# Altium PCB PASS Capstone.PcbDoc (part 3 of 6)
Units mil, origin at the board's own origin, x right, y up, seen from the top; angles counter-clockwise.
Board outline 9510 x 7745.39 mil, 2 copper layers (L1, L2), stack 62.756 mil thick; 838 components, 509 nets, 2130 pads, 378 vias.
Unrouted connection lines stored in the file: 795.
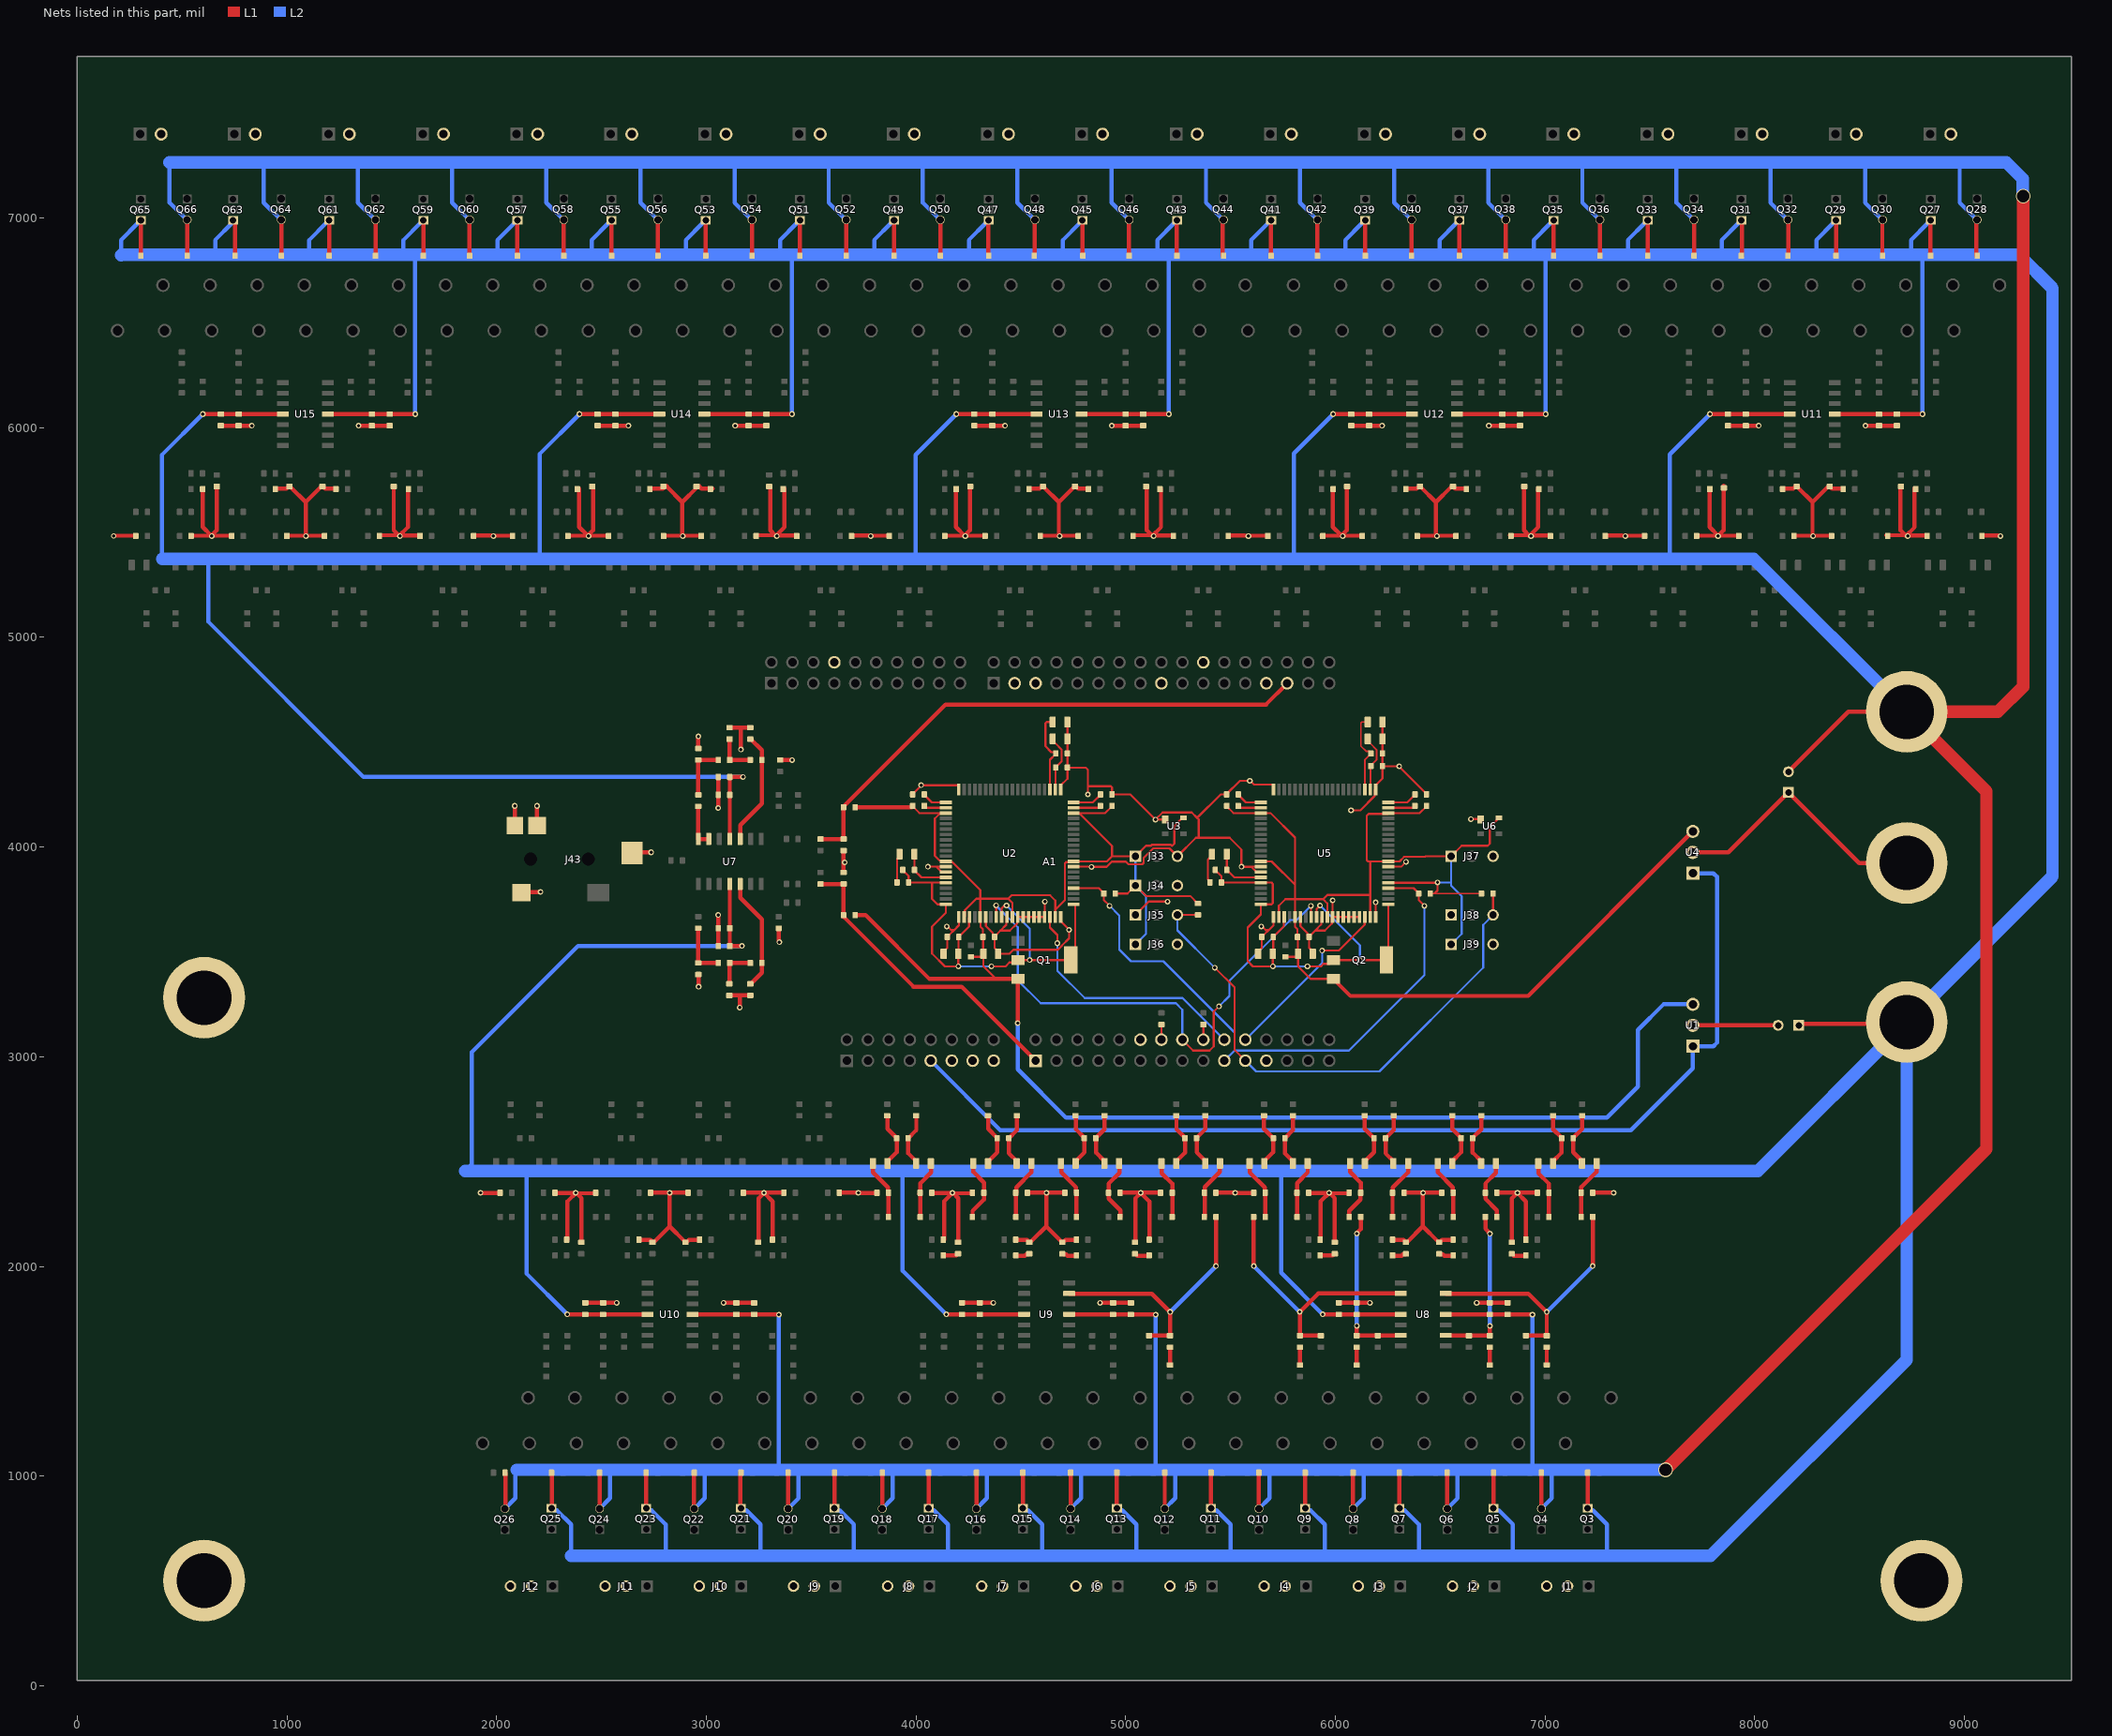
[diagram p3: the nets of this part, all layers, seen from the top]

## Via types
v1: diameter 27, hole 15, L1 to L2, 375 vias
v2: diameter 70, hole 60, L1 to L2, 2 vias
v3: diameter 25, hole 15, L1 to L2, 1 vias

## Nets (pads, with @x,y where several pads share a name; then routed paths per layer and width w, separated by ;. In a path a pad name is that pad's centre, name@x,y a point inside that pad or via, vN(x,y) a via of type N, cw(c..) or ccw(c..) an arc to the next point about the centre after c; other vN are vias at no path point)
GND: A1.CN7_8 A1.CN8_11 A1.CN8_13 A1.CN9_12 A1.CN9_23 A1.CN10_3 A1.CN10_5 A1.CN10_17 A1.CN10_22 A1.CN10_27 C4.2 C5.1 C6.1 C7.2 C8.1 C9.1 C10.1 C11.1 C12.2 C13.2 C18.2 C19.1 C20.1 C21.1 C22.1 C23.1 C24.1 C25.1 C26.2 C27.2 C30.2 C32.2 C34.2 C35.2 C36.2 C37.2 C38.2 C51.1 C52.1 C53.1 C54.1 C59.2 C60.2 C61.2 C62.2 C75.1 C76.1 C77.1 C78.1 C83.2 C84.2 C85.2 C86.2 C99.1 C100.1 C101.1 C102.1 C107.2 C108.2 C109.2 C110.2 C123.1 C124.1 C125.1 C126.1 C131.2 C132.2 C133.2 C134.2 C147.1 C148.1 C149.1 C150.1 C155.2 C156.2 C157.2 C158.2 C171.1 C172.1 C173.1 C174.1 C179.2 C180.2 C181.2 C182.2 C195.1 C196.1 C197.1 C198.1 C203.2 C204.2 C205.2 C206.2 C219.1 C220.1 C221.1 C222.1 C227.2 C228.2 C229.2 C230.2 C233.2 C234.1 J1.2 J1.3 J2.2 J2.3 J3.2 J3.3 J4.2 J4.3 J5.2 J5.3 J6.2 J6.3 J7.2 J7.3 J8.2 J8.3 J9.2 J9.3 J10.2 J10.3 J11.2 J11.3 J12.2 J12.3 J13.2 J14.2 J15.2 J16.2 J17.2 J18.2 J19.2 J20.2 J21.2 J22.2 J23.2 J24.2 J25.2 J26.2 J27.2 J28.2 J29.2 J30.2 J31.2 J32.2 J33.3 J34.3 J35.1 J36.3 J37.3 J38.1 J39.3 J41.1 J43.1 J43.2 J43.4 J43.5 J44.1 J45.1 J46.1 R9.2 R12.2 R16.2 R17.2 R18.2 R22.2 R23.2 R33.1 R34.2 R35.1 R36.2 R37.1 R38.2 R39.1 R40.2 R49.2 R50.2 R51.2 R52.2 R81.1 R82.2 R83.1 R84.2 R85.1 R86.2 R87.1 R88.2 R97.2 R98.2 R99.2 R100.2 R129.1 R130.2 R131.1 R132.2 R133.1 R134.2 R135.1 R136.2 R145.2 R146.2 R147.2 R148.2 R177.1 R178.2 R179.1 R180.2 R181.1 R182.2 R183.1 R184.2 R193.2 R194.2 R195.2 R196.2 R225.1 R226.2 R227.1 R228.2 R229.1 R230.2 R231.1 R232.2 R241.2 R242.2 R243.2 R244.2 R273.1 R274.2 R275.1 R276.2 R277.1 R278.2 R279.1 R280.2 R289.2 R290.2 R291.2 R292.2 R321.1 R322.2 R323.1 R324.2 R325.1 R326.2 R327.1 R328.2 R337.2 R338.2 R339.2 R340.2 R369.1 R370.2 R371.1 R372.2 R373.1 R374.2 R375.1 R376.2 R385.2 R386.2 R387.2 R388.2 U1.2 U2.13 U2.14 U2.21 U2.26 U2.30 U2.32 U2.33 U2.34 U2.35 U2.36 U2.37 U2.40 U2.48 U2.61 U2.80 U3.1 U4.2 U5.13 U5.14 U5.21 U5.26 U5.30 U5.32 U5.33 U5.34 U5.35 U5.36 U5.37 U5.40 U5.48 U5.61 U5.80 U6.1 | length 30204.2
  L1 w10: C4.2@3984.51,4251.22 3984.51,4253.18 4025,4293.67 v1(4025,4295) 4200.49,4295 4203.96,4291.54 U2.80@4203.96,4274.49 ; v1(4057.07,3906.22) 4057.15,3906.3 4097.35,3906.3 ; C6.1@4131.64,3491.22 4131.64,3501.85 4149.08,3519.29 C5.1@4149.08,3571.22 ; U2.14@4142.94,3880.79 4122.86,3880.79 4097.35,3906.3 ; U2.13@4142.94,3906.38 4142.86,3906.3 4097.35,3906.3 ; v1(4147.07,3621.22) 4151.13,3621.22 4167.88,3604.47 4182.29,3604.47 ; C5.1@4149.04,3573.18 4157.04,3581.18 4159,3581.18 4182.29,3604.47 ; U2.21@4205.57,3666.22 4205.57,3627.76 4182.29,3604.47 ; U2.26@4333.53,3666.22 4333.53,3622.68 4366.63,3589.57 4366.63,3579.22 C8.1@4374.63,3571.22 ; U2.30@4434.27,3666.22 4430.81,3662.76 4430.81,3629.32 4402.74,3601.25 ; v1(4615,3740) 4614.2,3739.2 4614.2,3667.02 U2.37@4613.41,3666.22 U2.36@4587.82,3666.22 U2.35@4562.23,3666.22 U2.34@4536.64,3666.22 U2.33@4511.05,3666.22 U2.32@4485.46,3666.22 4481.99,3662.76 4481.99,3635.78 4447.46,3601.25 4402.74,3601.25 ; U2.40@4690.18,3666.22 4690.18,3646.14 4730,3606.32 v1(4730,3605) 4730,3565.18 4695.56,3530.74 4695.56,3528.85 4676.75,3510.03 4464.22,3510.03 4445.41,3491.22 C7.2@4392.11,3491.22 4392.11,3501.85 4374.67,3519.29 C8.1@4374.67,3571.22 ; U2.61@4690.18,4274.49 4690.18,4294.57 4722.07,4326.46 C11.1@4722.07,4379.07 ; C10.1@4722.07,4596.22 C12.2@4722.07,4516.22 C9.1@4722.07,4446.22 C11.1@4722.07,4379.07 ; U2.48@4751.2,3906.38 4751.28,3906.3 4836.27,3906.3 v1(4837.07,3905.5) 4908.95,3905.5 4933.45,3930 5000.73,3930 5012.85,3917.88 5078.97,3917.88 5085.41,3924.32 5085.41,3948.79 5131.19,3994.56 5208.73,3994.56 J33.3@5247.07,3956.22 5334.74,4043.89 5348.76,4043.89 ; v1(4820,4251.22) 4820,4290 ; J35.1@5047.07,3676.22 5110.85,3740 v1(5200,3740) ; U3.1@5188.76,4131.14 5188.68,4131.22 v1(5142.07,4131.22) ; 5599.04,3906.3 5644.47,3906.3 U5.13@5644.55,3906.38 ; C20.1@5631.64,3491.22 5631.64,3501.85 5649.04,3519.25 C19.1@5649.04,3571.22 5649.04,3573.18 5657.04,3581.18 5659,3581.18 5682.29,3604.47 ; U5.14@5644.55,3880.79 5624.47,3880.79 5599.04,3906.22 v1(5552.07,3906.22) 5552.07,3987.93 5496.11,4043.89 5348.76,4043.89 ; v1(5647.07,3621.22) 5651.13,3621.22 5667.88,3604.47 5682.29,3604.47 ; U5.21@5705.57,3666.22 5705.57,3627.76 5682.29,3604.47 ; U5.80@5705.57,4274.49 5705.57,4294.57 5702.11,4298.03 5612.77,4298.03 5594.58,4316.22 v1(5592.07,4316.22) 5544.99,4316.22 5481.95,4253.18 C18.2@5481.95,4251.22 5453.19,4251.22 5340.98,4139.02 ; U5.26@5833.53,3666.22 5833.53,3622.68 5866.63,3589.57 5866.63,3579.22 C22.1@5874.63,3571.22 ; C21.1@5892.5,3491.22 5892.5,3501.85 5874.63,3519.72 C22.1@5874.63,3571.22 ; U5.30@5935.89,3666.22 5932.42,3662.76 5932.42,3630.98 5903.53,3602.08 ; v1(5987.07,3746.22) U5.32@5987.07,3666.22 ; v1(6075,4175) 6119.28,4175 6188.33,4244.05 6188.33,4271.02 U5.61@6191.79,4274.49 6191.79,4294.57 6224.63,4327.4 C25.1@6224.63,4386.22 ; U5.37@6115.02,3666.22 U5.36@6089.43,3666.22 U5.35@6063.84,3666.22 U5.34@6038.25,3666.22 U5.33@6012.66,3666.22 U5.32@5987.07,3666.22 ; U5.40@6191.79,3666.22 6191.93,3666.36 6191.93,3736.08 v1(6192.07,3736.22) ; C24.1@6224.63,4596.22 C26.2@6224.63,4516.22 C23.1@6224.63,4446.22 C25.1@6224.63,4386.22 ; U5.48@6252.82,3906.38 6252.9,3906.3 6313.57,3906.3 v1(6337.07,3929.8) ; C27.2@6434.63,4251.22 6434.63,4253.18 6305,4382.81 v1(6305,4385) 6304.39,4385.61 6225.24,4385.61 C25.1@6224.63,4386.22 ; v1(6647.01,4133.5) 6691.4,4133.5 U6.1@6693.76,4131.14 ; C8.1@4374.67,3571.22 4374.67,3573.18 4402.74,3601.25 ; C11.1@4722.07,4379.07 4809.22,4379.07 4820,4368.29 4820,4290 ; 4820,4290 4928.94,4290 4934.79,4284.14 C13.2@4934.79,4251.22 5022.07,4251.22 v1(5142.07,4131.22) ; v1(5142.07,4131.22) 5175.85,4165 5315,4165 5340.98,4139.02 ; 5340.98,4139.02 5348.76,4131.24 5348.76,4043.89 ; C22.1@5874.63,3571.22 5874.63,3573.18 5903.53,3602.08 ; 5903.53,3602.08 5949.9,3602.08 5983.6,3635.78 5983.6,3662.76 U5.32@5987.07,3666.22
  L1 w20: v3@179.75,5485 R376.2@279,5485 ; R375.1@543.29,5485 v1@639.75,5485 ; R388.2@598.02,5710 598.02,5526.73 v1@639.75,5485 ; v1@638.4,5485 R374.2@736.6,5485 ; C222.1@665.15,5722.44 665.15,5511.76 639.75,5486.35 v1@639.75,5485 ; C227.2@684.75,6009.88 v1(832.82,6009.88) ; R387.2@944.99,5710 997.6,5710 1010.04,5722.44 1013.96,5722.44 1016.96,5719.44 1016.96,5717.48 1089.75,5644.69 ; R373.1@999.71,5485 v1@1087.75,5485 ; C220.1@1162.02,5717.48 1089.23,5644.69 1089.23,5490.02 1088.7,5489.49 1088.7,5485.96 v1@1087.75,5485 ; C220.1@1168.94,5722.44 1181.38,5710 R386.2@1233.99,5710 ; R371.1@1178.87,5485 v1@1087.75,5485 ; v1(1341.82,6009.88) C230.2@1489.89,6009.88 ; R372.2@1441.51,5487.29 v1@1534.96,5487.29 ; C219.1@1509.34,5721.09 1509.34,5510.4 v1@1534.75,5485 ; v1@1533.21,5486.31 R369.1@1632.67,5486.31 ; v1@1534.75,5483.65 1576.48,5525.38 R385.2@1576.48,5708.65 ; R370.2@1898.16,5486.13 v1@1975.8,5486.13 ; v1@1925.01,2350.09 1939.01,2350.09 R136.2@2016.66,2350.09 ; v1@1975.75,5485 R328.2@2075,5485 ; J43.4@2086.68,4104.94 v1(2086.68,4196.28) ; J43.1@2118.17,3786.04 v1(2209.51,3786.04) ; J43.2@2192.97,4104.94 v1(2192.97,4196.28) ; R135.1@2282.15,2349.91 v1@2381.61,2349.91 ; R148.2@2338.34,2127.57 2338.34,2310.84 v1@2380.07,2352.57 ; R327.1@2339.29,5485 v1@2435.75,5485 ; v1@2379.85,2348.93 R134.2@2473.31,2348.93 ; v1@2380.07,2351.22 2405.47,2325.82 C102.1@2405.47,2115.13 ; R340.2@2394.02,5710 2394.02,5526.73 v1@2435.75,5485 ; C110.2@2424.92,1826.34 v1(2573,1826.34) ; v1@2434.4,5485 R326.2@2532.6,5485 ; C198.1@2461.15,5722.44 2461.15,5511.76 2435.75,5486.35 v1@2435.75,5485 ; C203.2@2480.75,6009.88 v1(2628.82,6009.88) ; J43.5@2645.73,3975.02 v1(2737.07,3975.02) ; R147.2@2680.82,2126.22 2733.43,2126.22 C101.1@2745.87,2113.78 ; R133.1@2735.94,2351.22 v1@2827.07,2351.22 ; R339.2@2740.99,5710 2793.6,5710 2806.04,5722.44 2809.96,5722.44 2812.96,5719.44 2812.96,5717.48 2885.75,5644.69 ; C101.1@2752.79,2118.74 2825.58,2191.53 2825.58,2346.2 2826.11,2346.73 2826.11,2350.26 v1@2827.07,2351.22 ; R325.1@2795.71,5485 v1@2883.75,5485 ; 2825.07,2191.53 2897.86,2118.74 2897.86,2116.78 2900.86,2113.78 2904.78,2113.78 2917.22,2126.22 R146.2@2969.83,2126.22 ; R131.1@2915.1,2351.22 v1@2827.07,2351.22 ; C196.1@2958.02,5717.48 2885.23,5644.69 2885.23,5490.02 2884.7,5489.49 2884.7,5485.96 v1@2883.75,5485 ; C30.2@2962.07,3392.06 2962.71,3391.42 2962.71,3334.36 v1(2963.36,3333.71) ; R9.2@2962.07,4470.38 v1(2962.07,4527.44) ; C196.1@2964.94,5722.44 2977.38,5710 R338.2@3029.99,5710 ; R323.1@2974.88,5485 v1@2883.75,5485 ; C38.2@3056.95,3528.2 v1(3056.95,3676.27) ; v1(3056.95,4186.17) C35.2@3056.95,4334.24 ; v1(3081.99,1826.34) C107.2@3230.07,1826.34 ; C32.2@3110,3292.44 3160.23,3292.44 ; R12.2@3110,4570 3160.23,4570 ; v1(3137.82,6009.88) C206.2@3285.89,6009.88 ; v1(3160,3235) 3160.23,3235.23 3160.23,3292.44 ; v1(3165,4465) 3165,4565.23 3160.23,4570 ; R132.2@3178.22,2351.22 v1@3276.42,2351.22 ; C34.2@3210,3292.44 3160.23,3292.44 ; R16.2@3210,4570 3160.23,4570 ; R324.2@3237.51,5487.29 v1@3330.97,5487.29 ; C99.1@3249.66,2113.78 3249.66,2324.46 3275.07,2349.87 v1(3275.06,2351.22) ; C195.1@3305.35,5721.09 3305.35,5510.4 v1@3330.75,5485 ; R145.2@3316.8,2126.22 3316.8,2309.49 v1(3275.06,2351.22) ; v1@3329.21,5486.31 R321.1@3428.67,5486.31 ; v1@3330.75,5483.65 3372.48,5525.38 R337.2@3372.48,5708.65 ; R17.2@3345,3612.44 3345,3551.89 3348.44,3548.46 v1(3348.44,3546.56) ; R18.2@3351.69,4415.03 v1@3408.9,4415.03 ; R129.1@3371.52,2351.22 v1(3275.06,2351.22) ; R130.2@3635.82,2351.22 v1@3735.07,2351.22 ; R22.2@3655,3879.05 3655,3920.41 3660.31,3925.72 v1(3660.31,3927.07) ; v1@3655,3927.08 R23.2@3655,3983.39 ; R322.2@3694.16,5486.13 v1@3771.8,5486.13 ; v1@3721.01,2350.09 3735.01,2350.09 R88.2@3812.66,2350.09 ; v1@3771.75,5485 R280.2@3871,5485 ; R87.1@4078.15,2349.91 v1@4177.61,2349.91 ; R100.2@4134.34,2127.57 4134.34,2310.84 v1@4176.07,2352.57 ; R279.1@4135.29,5485 v1@4231.75,5485 ; v1@4175.85,2348.93 R86.2@4269.31,2348.93 ; v1@4176.07,2351.22 4201.47,2325.82 C78.1@4201.47,2115.13 ; R292.2@4190.02,5710 4190.02,5526.73 v1@4231.75,5485 ; C86.2@4220.92,1826.34 v1(4369,1826.34) ; v1@4230.4,5485 R278.2@4328.6,5485 ; C174.1@4257.15,5722.44 4257.15,5511.76 4231.75,5486.35 v1@4231.75,5485 ; C179.2@4276.75,6009.88 v1(4424.82,6009.88) ; R99.2@4476.82,2126.22 4529.43,2126.22 C77.1@4541.87,2113.78 ; R85.1@4531.94,2351.22 v1@4623.07,2351.22 ; R291.2@4536.99,5710 4589.6,5710 4602.04,5722.44 4605.96,5722.44 4608.96,5719.44 4608.96,5717.48 4681.75,5644.69 ; C77.1@4548.8,2118.74 4621.58,2191.53 4621.58,2346.2 4622.11,2346.73 4622.11,2350.26 v1@4623.07,2351.22 ; R277.1@4591.71,5485 v1@4679.75,5485 ; 4621.07,2191.53 4693.86,2118.74 4693.86,2116.78 4696.86,2113.78 4700.78,2113.78 4713.22,2126.22 R98.2@4765.83,2126.22 ; R83.1@4711.1,2351.22 v1@4623.07,2351.22 ; C172.1@4754.02,5717.48 4681.23,5644.69 4681.23,5490.02 4680.7,5489.49 4680.7,5485.96 v1@4679.75,5485 ; C172.1@4760.94,5722.44 4773.38,5710 R290.2@4826,5710 ; R275.1@4770.88,5485 v1@4679.75,5485 ; v1(4877.99,1826.34) C83.2@5026.07,1826.34 ; v1(4933.82,6009.88) C182.2@5081.89,6009.88 ; R84.2@4974.22,2351.22 v1@5072.42,2351.22 ; R276.2@5033.51,5487.29 v1@5126.97,5487.29 ; C75.1@5045.67,2113.78 5045.67,2324.46 5071.07,2349.87 v1@5071.07,2351.22 ; C171.1@5101.35,5721.09 5101.35,5510.4 v1@5126.75,5485 ; R97.2@5112.8,2126.22 5112.8,2309.49 v1@5071.07,2351.22 ; v1@5125.21,5486.31 R273.1@5224.67,5486.31 ; v1@5126.75,5483.65 5168.48,5525.38 R289.2@5168.48,5708.65 ; R81.1@5167.52,2351.22 v1@5071.07,2351.22 ; R82.2@5430.97,2351.22 v1@5531.07,2351.22 ; R274.2@5490.16,5486.13 5567.8,5486.13 ; v1@5517.02,2350.09 5531.01,2350.09 R40.2@5608.66,2350.09 ; 5570.09,5485 R232.2@5669.34,5485 ; R39.1@5874.15,2349.91 v1@5973.61,2349.91 ; R52.2@5930.34,2127.57 5930.34,2310.84 v1@5972.07,2352.57 ; R231.1@5933.63,5485 v1@6030.09,5485 ; v1@5971.85,2348.93 R38.2@6065.31,2348.93 ; v1@5972.07,2351.22 5997.47,2325.82 C54.1@5997.47,2115.13 ; R244.2@5988.36,5710 5988.36,5526.73 v1@6030.09,5485 ; C62.2@6016.93,1826.34 C61.2@6101.93,1826.34 v1(6165,1826.34) ; v1@6028.74,5485 R230.2@6126.94,5485 ; C150.1@6055.49,5722.44 6055.49,5511.76 6030.09,5486.35 v1@6030.09,5485 ; C155.2@6075.08,6009.88 v1(6223.16,6009.88) ; R51.2@6272.82,2126.22 6325.43,2126.22 C53.1@6337.88,2113.78 ; R37.1@6327.94,2351.22 v1(6419.07,2351.22) ; R243.2@6335.32,5710 6387.93,5710 6400.38,5722.44 6404.3,5722.44 6407.3,5719.44 6407.3,5717.48 6480.09,5644.69 ; C53.1@6344.8,2118.74 6417.59,2191.53 6417.59,2346.2 6418.11,2346.73 6418.11,2350.26 v1(6419.07,2351.22) ; R229.1@6390.05,5485 v1@6478.08,5485 ; 6417.07,2191.53 6489.86,2118.74 6489.86,2116.78 6492.86,2113.78 6496.78,2113.78 6509.22,2126.22 R50.2@6561.83,2126.22 ; R35.1@6507.11,2351.22 v1(6419.07,2351.22) ; C148.1@6552.36,5717.48 6479.57,5644.69 6479.57,5490.02 6479.04,5489.49 6479.04,5485.96 v1@6478.08,5485 ; C148.1@6559.28,5722.44 6571.72,5710 R242.2@6624.33,5710 ; R227.1@6569.21,5485 v1@6478.08,5485 ; v1(6674,1826.34) C59.2@6822.07,1826.34 ; v1(6732.15,6009.88) C158.2@6880.23,6009.88 ; R36.2@6770.22,2351.22 v1(6868.42,2351.22) ; R228.2@6831.85,5487.29 v1@6925.3,5487.29 ; C51.1@6841.67,2113.78 6841.67,2324.46 6867.07,2349.87 v1@6867.07,2351.22 ; C147.1@6899.68,5721.09 6899.68,5510.4 v1@6925.09,5485 ; R49.2@6908.8,2126.22 6908.8,2309.49 v1@6867.07,2351.22 ; v1@6923.55,5486.31 R225.1@7023,5486.31 ; v1@6925.09,5483.65 6966.82,5525.38 R241.2@6966.82,5708.65 ; R33.1@6963.53,2351.22 v1@6867.07,2351.22 ; R34.2@7227.82,2351.22 v1(7327.07,2351.22) ; R226.2@7288.5,5486.13 7366.14,5486.13 ; 7366.09,5485 R184.2@7465.34,5485 ; U1.2@7705,3150 C233.2@8111.57,3150 ; U4.2@7705,3975 7875,3975 C234.1@8160.79,4260.79 8497.39,3924.18 J41.1@8725,3924.18 ; R183.1@7729.63,5485 v1@7826.09,5485 ; R196.2@7784.36,5710 7784.36,5526.73 v1@7826.09,5485 ; v1@7824.74,5485 R182.2@7922.94,5485 ; C126.1@7851.49,5722.44 7851.49,5511.76 7826.09,5486.35 v1@7826.09,5485 ; C131.2@7871.09,6009.88 v1(8019.16,6009.88) ; R195.2@8131.33,5710 8183.94,5710 8196.38,5722.44 8200.3,5722.44 8203.3,5719.44 8203.3,5717.48 8276.09,5644.69 ; R181.1@8186.05,5485 v1@8274.08,5485 ; C124.1@8348.36,5717.48 8275.57,5644.69 8275.57,5490.02 8275.04,5489.49 8275.04,5485.96 v1@8274.08,5485 ; C124.1@8355.28,5722.44 8367.72,5710 R194.2@8420.33,5710 ; R179.1@8365.21,5485 v1@8274.08,5485 ; v1(8528.16,6009.88) C134.2@8676.23,6009.88 ; R180.2@8627.85,5487.29 v1@8721.3,5487.29 ; C123.1@8695.68,5721.09 8695.68,5510.4 v1@8721.09,5485 ; v1@8719.55,5486.31 R177.1@8819,5486.31 ; v1@8721.09,5483.65 8762.82,5525.38 R193.2@8762.82,5708.65 ; R178.2@9084.5,5486.13 v1@9162.14,5486.13
  other v1: 1923.37,2351.22 2377.26,2351.22 2825.54,2351.22 3725.42,2351.22 4173.71,2351.22 4622.17,2351.22 5071.52,2351.22 5522.1,2351.22 5970.61,2351.22 3409.13,4415.26 641.49,5483.65 1090.84,5483.65 1539.3,5483.65 1984.62,5483.65 2438.39,5483.65 2887.74,5483.65 3336.2,5483.65 3784.49,5483.65 4235.34,5483.65 4684.69,5483.65 5133.14,5483.65 5585.44,5483.65 6035.38,5483.65 6484.38,5483.65 6933.38,5483.65 7382.8,5483.65 7825.21,5483.65 8278.71,5483.65 8730.03,5483.65 9172.16,5483.65
  other v3: 173.37,5483.65
NetA1_CN8_9: A1.CN8_9 U1.1 U4.1 | length 5034.4
  L2 w20: A1.CN8_9@4070.59,2981.22 4401.81,2650 7410,2650 7705,2945 U1.1@7705,3050 7803.43,3050 7820,3066.57 7820,3858.43 7803.43,3875 U4.1@7705,3875
NetA1_CN8_15: A1.CN8_15 C37.1 C38.1 C61.1 C62.1 C85.1 C86.1 C109.1 C110.1 C133.1 C134.1 C157.1 C158.1 C181.1 C182.1 C205.1 C206.1 C229.1 C230.1 C233.1 J40.1 Q3.3 Q5.3 Q7.3 Q9.3 Q11.3 Q13.3 Q15.3 Q17.3 Q19.3 Q21.3 Q23.3 Q25.3 Q27.3 Q29.3 Q31.3 Q33.3 Q35.3 Q37.3 Q39.3 Q41.3 Q43.3 Q45.3 Q47.3 Q49.3 Q51.3 Q53.3 Q55.3 Q57.3 Q59.3 Q61.3 Q63.3 Q65.3 R65.1 R67.1 R69.1 R71.1 R113.1 R115.1 R117.1 R119.1 R161.1 R163.1 R165.1 R167.1 R209.1 R211.1 R213.1 R215.1 R257.1 R259.1 R261.1 R263.1 R305.1 R307.1 R309.1 R311.1 R353.1 R355.1 R357.1 R359.1 R401.1 R403.1 R405.1 R407.1 U7.4 U8.4 U9.4 U10.4 U11.4 U12.4 U13.4 U14.4 U15.4 | length 53763.1
  L1 w20: R407.1@303.3,6820 Q65.3@303.3,6990 ; R405.1@752.51,6820 Q63.3@752.51,6990 ; U15.4@1195.05,6065 C230.1@1489.89,6065 v1(1611.96,6065) ; R403.1@1201.51,6820 Q61.3@1201.51,6990 ; R401.1@1650.51,6820 Q59.3@1650.51,6990 ; R359.1@2099.3,6820 Q57.3@2099.3,6990 ; Q25.3@2264.31,846.22 R167.1@2264.31,1016.22 ; v1(2337.16,1771.22) C110.1@2423.23,1771.22 ; C110.1@2424.92,1771.22 U10.4@2719.76,1771.22 ; R357.1@2548.51,6820 Q55.3@2548.51,6990 ; Q23.3@2713.31,846.22 R165.1@2713.31,1016.22 ; U14.4@2991.05,6065 C206.1@3285.89,6065 ; R355.1@2997.51,6820 Q53.3@2997.51,6990 ; U7.4@3112.07,3823.94 3112.07,3723.94 C37.1@3112.07,3613.2 C38.1@3112.07,3528.2 v1(3170,3528.2) ; Q21.3@3162.31,846.22 R163.1@3162.31,1016.22 ; C206.1@3286.74,6065 v1(3408.81,6065) ; R353.1@3446.51,6820 Q51.3@3446.51,6990 ; Q19.3@3611.52,846.22 R161.1@3611.52,1016.22 ; R311.1@3895.3,6820 Q49.3@3895.3,6990 ; Q17.3@4060.31,846.22 R119.1@4060.31,1016.22 ; v1(4145,1771.22) C86.1@4220.08,1771.22 ; C86.1@4220.92,1771.22 U9.4@4515.76,1771.22 ; R309.1@4344.51,6820 Q47.3@4344.51,6990 ; Q15.3@4509.31,846.22 R117.1@4509.31,1016.22 ; U13.4@4787.05,6065 C182.1@5081.89,6065 ; R307.1@4793.51,6820 Q45.3@4793.51,6990 ; Q13.3@4958.31,846.22 R115.1@4958.31,1016.22 ; C182.1@5083.59,6065 v1(5205.66,6065) ; R305.1@5242.51,6820 Q43.3@5242.51,6990 ; Q11.3@5407.52,846.22 R113.1@5407.52,1016.22 ; R263.1@5693.63,6820 Q41.3@5693.63,6990 ; Q9.3@5856.31,846.22 R71.1@5856.31,1016.22 ; v1(5940,1771.22) C62.1@6016.93,1771.22 U8.4@6311.77,1771.22 ; R261.1@6142.85,6820 Q39.3@6142.85,6990 ; Q7.3@6305.31,846.22 R69.1@6305.31,1016.22 ; U12.4@6585.39,6065 C158.1@6880.23,6065 ; R259.1@6591.85,6820 Q37.3@6591.85,6990 ; Q5.3@6754.31,846.22 R67.1@6754.31,1016.22 ; C158.1@6881.08,6065 v1(7003.15,6065) ; R257.1@7040.85,6820 Q35.3@7040.85,6990 ; Q3.3@7203.52,846.22 R65.1@7203.52,1016.22 ; R215.1@7489.64,6820 Q33.3@7489.64,6990 ; R213.1@7938.85,6820 Q31.3@7938.85,6990 ; C233.1@8210,3150 8217.5,3157.5 8717.5,3157.5 J40.1@8725,3165 ; U11.4@8381.39,6065 C133.1@8592.93,6065 C134.1@8676.23,6065 ; R211.1@8387.85,6820 Q29.3@8387.85,6990 ; C134.1@8677.93,6065 v1(8800,6065) ; R209.1@8836.85,6820 Q27.3@8836.85,6990
  L2 w20: 208.9,6822.74 208.9,6895.39 289.89,6976.38 289.89,6980.31 299.57,6990 Q65.3@303.51,6990 ; 657.9,6822.74 657.9,6895.39 738.89,6976.38 738.89,6980.31 748.57,6990 Q63.3@752.51,6990 ; 1106.9,6822.74 1106.9,6895.39 1187.89,6976.38 1187.89,6980.31 1197.57,6990 Q61.3@1201.51,6990 ; 1555.9,6822.74 1555.9,6895.39 1636.89,6976.38 1636.89,6980.31 1646.57,6990 Q59.3@1650.51,6990 ; v1(1611.96,6065) 1611.96,6821.71 ; 1849.75,2455 1881.72,2486.97 1881.72,3021.72 2010,3150 2388.2,3528.2 v1(3170,3528.2) ; 2004.9,6822.74 2004.9,6895.39 2085.89,6976.38 2085.89,6980.31 2095.57,6990 Q57.3@2099.51,6990 ; 2142.07,2455 2142.07,1966.31 v1(2337.16,1771.22) ; Q25.3@2261.97,846.22 2271.66,836.54 2287.59,836.54 2354.74,769.39 2354.74,619.31 ; 2453.9,6822.74 2453.9,6895.39 2534.89,6976.38 2534.89,6980.31 2544.57,6990 Q55.3@2548.51,6990 ; Q23.3@2713.31,846.22 2722.99,836.54 2738.93,836.54 2806.07,769.39 2806.07,619.31 ; 2902.9,6822.74 2902.9,6895.39 2983.89,6976.38 2983.89,6980.31 2993.57,6990 Q53.3@2997.51,6990 ; Q21.3@3165.12,846.22 3174.8,836.54 3190.74,836.54 3257.88,769.39 3257.88,619.31 ; 3351.9,6822.74 3351.9,6895.39 3432.89,6976.38 3432.89,6980.31 3442.57,6990 Q51.3@3446.51,6990 ; v1(3408.81,6065) 3408.81,6821.71 ; Q19.3@3611.31,846.22 3620.99,836.54 3636.93,836.54 3704.07,769.39 3704.07,619.31 ; 3800.9,6822.74 3800.9,6895.39 3881.89,6976.38 3881.89,6980.31 3891.57,6990 Q49.3@3895.51,6990 ; 3936.8,2455 3936.8,1979.42 v1(4145,1771.22) ; Q17.3@4060.31,846.22 4069.99,836.54 4085.93,836.54 4153.07,769.39 4153.07,619.31 ; 4252.24,6822.74 4252.24,6895.39 4333.22,6976.38 4333.22,6980.31 4342.91,6990 Q47.3@4346.85,6990 ; Q15.3@4509.31,846.22 4518.99,836.54 4534.93,836.54 4602.07,769.39 4602.07,619.31 ; 4701.24,6822.74 4701.24,6895.39 4782.22,6976.38 4782.22,6980.31 4791.91,6990 Q45.3@4795.85,6990 ; Q13.3@4958.31,846.22 4967.99,836.54 4983.93,836.54 5051.07,769.39 5051.07,619.31 ; 5151.31,6822.74 5151.31,6895.39 5232.29,6976.38 5232.29,6980.31 5241.98,6990 Q43.3@5245.91,6990 ; v1(5205.66,6065) 5205.66,6821.71 ; Q11.3@5407.31,846.22 5416.99,836.54 5432.93,836.54 5500.07,769.39 5500.07,619.31 ; 5599.24,6822.74 5599.24,6895.39 5680.22,6976.38 5680.22,6980.31 5689.91,6990 Q41.3@5693.85,6990 ; 5741.85,2455 5741.85,1969.37 v1(5940,1771.22) ; Q9.3@5856.31,846.22 5865.99,836.54 5881.93,836.54 5949.07,769.39 5949.07,619.31 ; 6048.24,6822.74 6048.24,6895.39 6129.22,6976.38 6129.22,6980.31 6138.91,6990 Q39.3@6142.85,6990 ; Q7.3@6305.31,846.22 6314.99,836.54 6330.93,836.54 6398.07,769.39 6398.07,619.31 ; 6497.24,6822.74 6497.24,6895.39 6578.22,6976.38 6578.22,6980.31 6587.91,6990 Q37.3@6591.85,6990 ; Q5.3@6754.31,846.22 6763.99,836.54 6779.93,836.54 6847.07,769.39 6847.07,619.31 ; 6946.24,6822.74 6946.24,6895.39 7027.23,6976.38 7027.23,6980.31 7036.91,6990 Q35.3@7040.85,6990 ; v1(7003.15,6065) 7003.15,6821.71 ; Q3.3@7203.31,846.22 7212.99,836.54 7228.93,836.54 7296.07,769.39 7296.07,619.31 ; 7395.24,6822.74 7395.24,6895.39 7476.23,6976.38 7476.23,6980.31 7485.91,6990 Q33.3@7489.85,6990 ; 7842.83,6822.74 7842.83,6895.39 7923.82,6976.38 7923.82,6980.31 7933.51,6990 Q31.3@7937.44,6990 ; 8294.41,6822.74 8294.41,6895.39 8375.39,6976.38 8375.39,6980.31 8385.08,6990 Q29.3@8389.02,6990 ; 8745.64,6822.74 8745.64,6895.39 8826.63,6976.38 8826.63,6980.31 8836.31,6990 Q27.3@8840.25,6990 ; v1(8800,6065) 8800,6821.71 8803.29,6825